# KiCad board GateMateA1-EVB_Rev_C.kicad_pcb (continued)
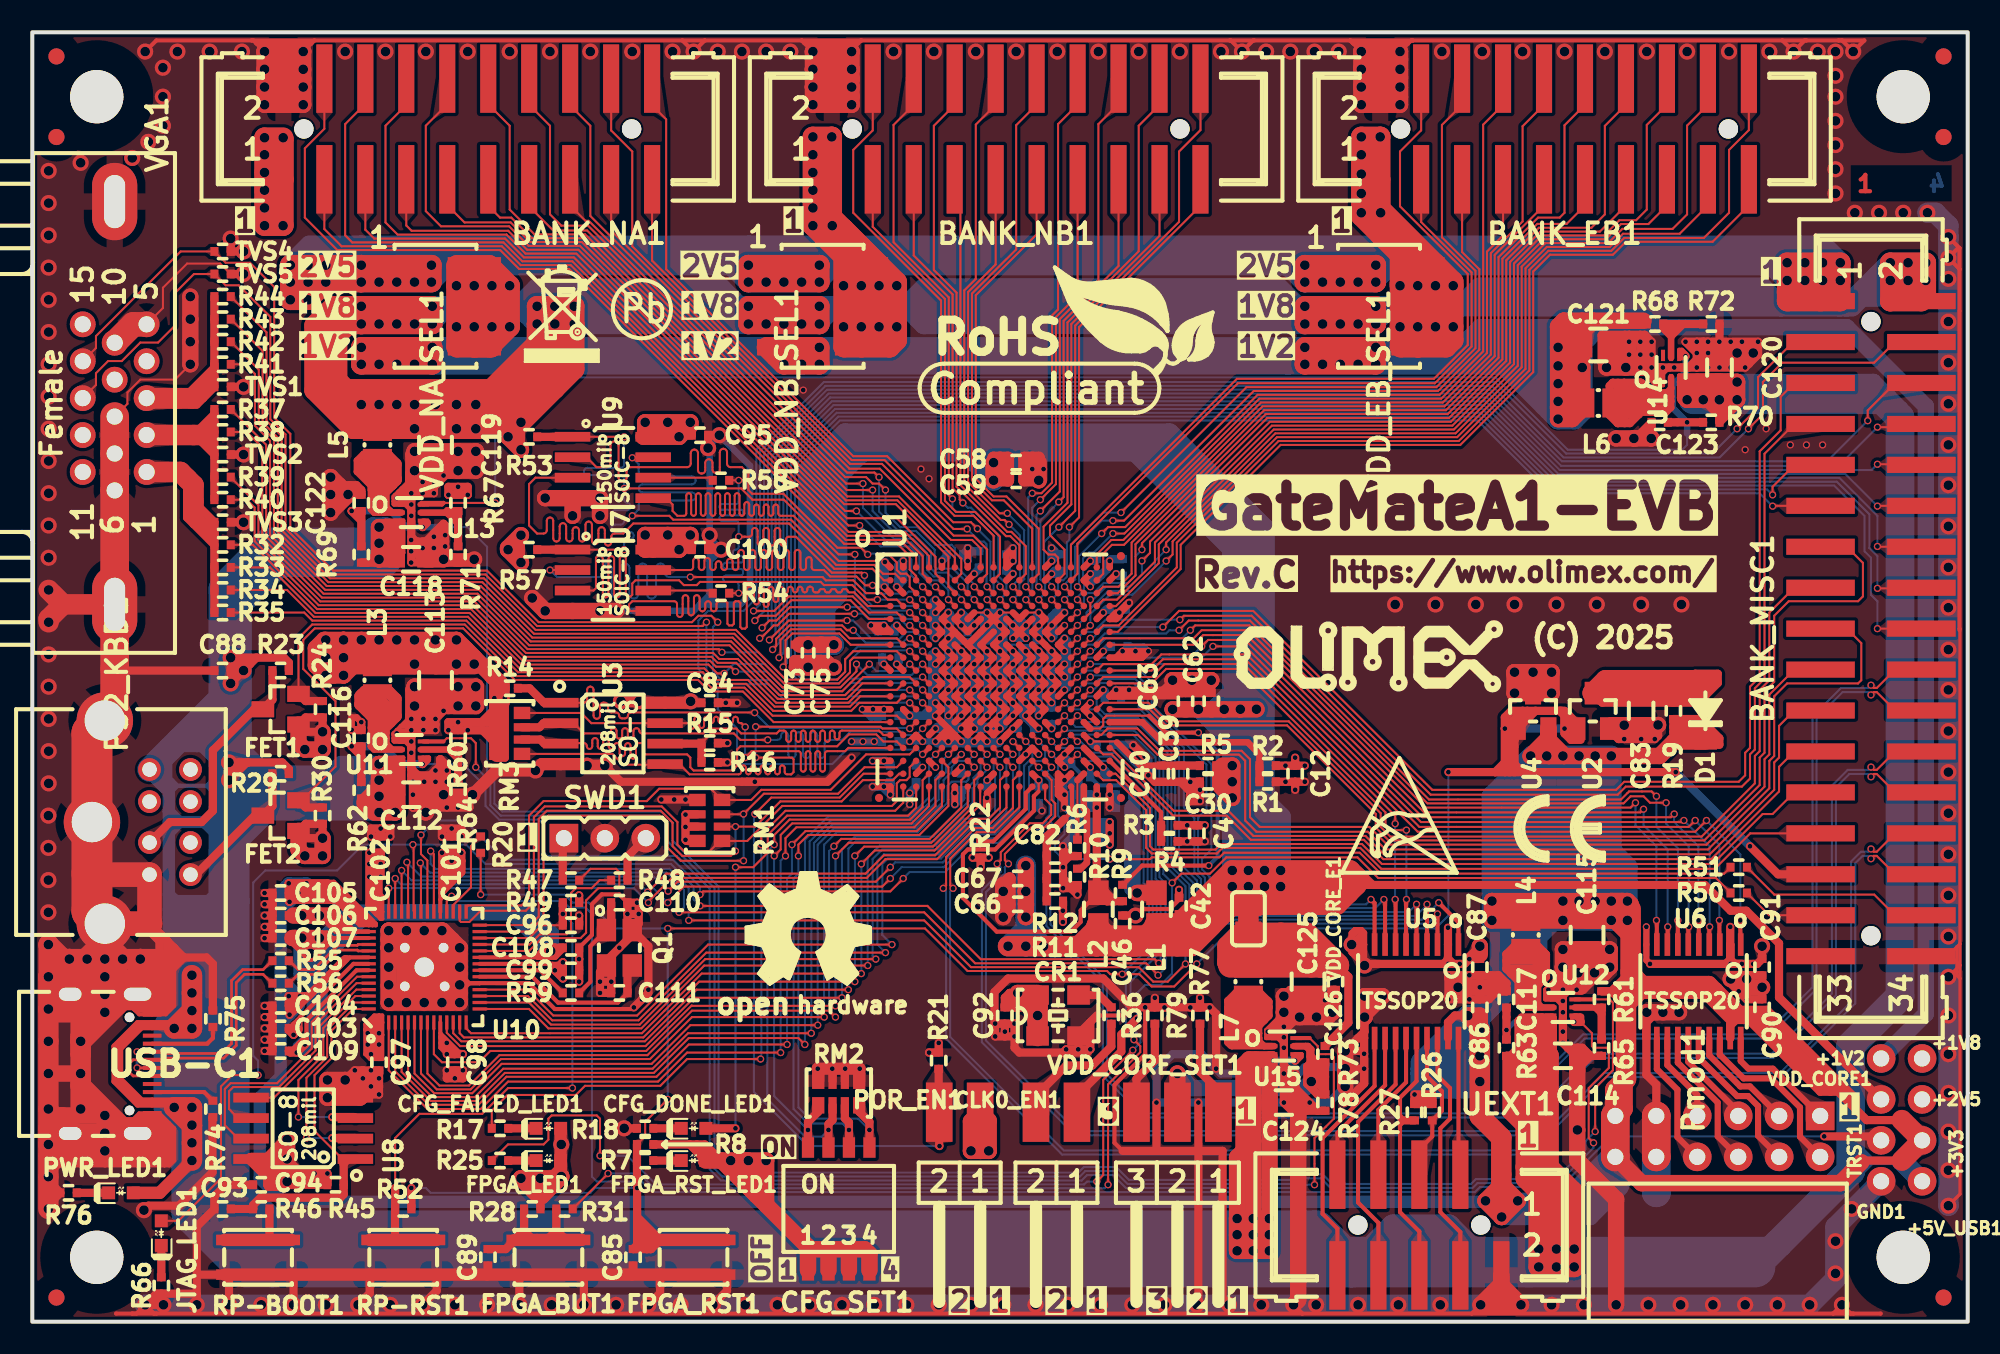
[diagram p0: board, top side]
## Routing (per net, layer and track width the routed paths; a pad name or vN(x,y) marks a point on that pad's centre or on a via; arc(x,y) is an arc through that point) (continued)
  Top w0.381: C86.1 v2(89.75,18.1)
  Top w0.508: 105.9,19 105.3,19 ; 105.9,19 106.9,19 ; 105.9,19 105.28,18.38 U6.19 105.28,18.97 105.3,19 ; 105.3,19 105.58,18.72 106.1,18.72 ; 16.6,20.19 17.09,20.19 ; 17.09,20.19 16.5,19.6 ; 17.09,20.19 19.4,22.5 ; 16.5,19.6 v1(15.9,20.2) ; 16.5,19.6 C104.1 ; 16.5,19.6 v1(15.95,19.05) 15.95,19.56 C104.1 ; v1(15.9,20.2) v1(16.6,20.2) 17.1,20.2 17.35,20.45 ; v1(15.9,20.2) 15.91,20.19 C104.1 ; 85.7,13.8 R27.1 R26.1 86.8,13.8 ; 85.7,13.8 v1(85.7,14.1) v1(86.8,14.1) 86.8,13.8 ; 85.7,13.8 86.8,13.8 ; 103.75,37.05 103.41,37.39 R19.1 101.75,36.9 ; 103.75,37.05 103.6,36.9 101.75,36.9 ; 103.75,37.05 104.6,36.2 104.6,35.8 103.95,35.8 D1.1 103.75,36.6 ; 103.75,37.05 103.75,36.6 ; C105.1 15.91,27.19 v1(15.9,27.2) ; C105.1 v1(16.5,26.6) ; C105.1 15.91,26.09 v1(15.95,26.05) v1(16.5,26.6) ; 98.6,20.55 98.56,20.51 R61.2 ; R61.2 97.91,20.51 99.1,21.7 ; R61.2 97.9,20.51 98.81,19.6 ; 105.55,19.35 107.55,19.35 107.91,18.99 ; C90.1 107.91,18.99 ; C90.1 107.52,18.72 ; C90.1 107.24,19 106.9,19 ; 107.91,18.99 113.07,13.83 113.07,13.17 ; C86.1 89.75,18 ; 18.65,26.85 18.3,27.2 v1(15.9,27.2) ; U5.19 87.78,18.58 88.2,19 88.99,19 v2(89,18.99) ; v1(16.5,26.6) v1(15.9,27.2) ; 101.75,36.9 101.75,36.6 ; 113.07,13.17 113.73,12.51 115.92,12.51 ; 113.07,13.17 111.97,14.27 ; 101.75,36.6 101.75,36.05 101.8,36 ; 101.75,36.6 103.75,36.6 ; 115.92,10 113.5,10 113.4,9.9 ; 91.1,9.14 UEXT1.1 ; 107.52,18.72 106.1,18.72 ; 107.52,18.72 111.97,14.27 ; 106.1,18.72 106.41,18.72 110.86,14.27 111.5,14.27 ; 111.5,14.27 106.9,18.87 106.9,19 ; 111.5,14.27 111.97,14.27
  Top w0.762: L4.2 92.5,24.7 92.3,24.9 ; 16.25,26.85 18.65,26.85 19.2,26.3 ; 19.2,26.3 19.05,26.45 16.35,26.45 ; 19.2,26.3 20.5,25
  Top w1.016: v2(90.5,26.1) v2(90.5,24.9) 92.3,24.9 92.6,25.2 ; v2(90.5,26.1) v2(94.9,26.1) v2(97.9,26.1) ; v2(90.5,26.1) 91.4,25.2 92.6,25.2 ; v2(91.1,6.5) 91.08,6.52 91.08,7.4 ; v2(91.1,6.5) v2(90.1,7.5) 91.08,8.48 UEXT1.1 91.08,8.52 v2(92.1,7.5) v2(91.1,6.5) ; 104.35,20.55 105.9,19 ; 104.35,20.55 103.75,20.55 ; 104.35,20.55 100.25,20.55 ; 104.35,20.55 103.95,20.95 99.85,20.95 ; v2(96.9,26.1) 96,25.2 92.6,25.2 ; 99.85,20.95 100.25,20.55 ; 99.85,20.95 99.1,21.7 ; 100.25,20.55 99.76,20.55 98.81,19.6 ; 100.25,20.55 100.4,20.55 ; U4.2 94,36.2 v2(92.9,35.1) 95,35.1 94,36.1 U4.2 ; U4.2 94,35.1 100.9,35.1 101.8,36 D1.1 ; 92.6,25.2 92.9,24.9 v2(94.9,24.9) v2(97.9,24.9) ; 103.75,20.55 100.4,20.55 ; 103.75,20.55 105.3,19 ; 100.4,20.55 98.6,20.55 ; v2(97.9,26.1) v2(98.9,26.1) 99.1,25.9 99.1,24.8 ; v2(97.9,26.1) 98.6,26.1 99.1,25.6 ; Pmod1.12 99.78,8.6 112.1,8.6 113.4,9.9 ; v2(89,18.99) C86.1 v2(89.75,18.1) 89.75,18.24 v2(89,18.99)
  Top w1.27: 99.1,24.1 99.1,25.6 ; 99.1,24.1 99.1,21.05 98.6,20.55 98.81,20.34 98.81,15.06 98.6,14.85 ; 99.1,24.1 98.18,25.02 C115.1 ; 98.6,14.85 98.15,14.4 Pmod1.6 98.6,13.22 98.6,14.85 ; 115.92,10 +3V3.1 115.92,12.51 ; 91.08,7.4 UEXT1.1 91.08,11.42 89.75,12.75 v2(89.75,14.9) v2(89.75,18.1)
  Top w1.778: Pmod1.6 Pmod1.12
  In1.Cu w1.016: 98.9,25.5 v2(98.9,24.9) v2(94.9,24.9) v2(94.9,26.1) ; 98.9,25.5 95.5,25.5 v2(94.9,26.1) ; 98.9,25.5 v2(98.9,26.1) v2(94.9,26.1) ; v2(90.5,26.1) v2(90.5,24.9) ; v2(92.9,35.1) v2(97.9,35.1)
  In2.Cu w1.016: v2(98.9,24.9) v2(94.9,24.9) 94.9,25.4 ; v2(98.9,24.9) v2(98.9,26.1) v2(94.9,26.1) 94.9,25.4 ; v2(98.9,24.9) 98.4,25.4 94.9,25.4 ; v2(97.9,35.1) v2(92.9,35.1)
  Bottom w0.508: 86.3,14.1 v1(86.8,14.1) ; 86.3,14.1 89,16.8 89,16.3 v1(86.8,14.1) ; 86.3,14.1 v1(85.7,14.1) ; v1(86.8,14.1) 87.4,14.1 ; v1(85.7,14.1) 89,17.4 ; v1(85.7,14.1) 85.7,15.69 86.1,16.09 ; 87.8,14.1 88.3,14.1 ; 87.8,14.1 87.4,14.1 ; 87.8,14.1 89,15.3 89,16 89,15.7 87.4,14.1 ; 88.3,14.1 88.95,14.1 v2(89.75,14.9) ; 88.3,14.1 89,14.8 89,14.9
  Bottom w0.762: 16.5,19.6 16.5,20.2 15.4,21.3 15.4,21.4 ; 16.5,19.6 15.4,19.6 ; 16.5,19.6 v1(15.95,19.05) 15.4,18.5 ; 16.5,19.6 v1(15.9,20.2) 15.4,20.7 ; 16.2,26.9 15.4,26.1 15.4,25.5 ; 16.2,26.9 v1(16.5,26.6) ; 16.2,26.9 v1(15.9,27.2) ; 15.4,25.5 15.4,26.7 v1(15.9,27.2) ; 15.4,25.5 15.4,21.4 ; 15.4,25.5 v1(15.95,26.05) v1(16.5,26.6) ; v1(16.5,26.6) 17,27.1 v1(17,27.2) v1(15.9,27.2) ; v2(90.1,7.5) 90.04,7.44 15.57,7.44 14.1,8.92 14.1,13.9 15.4,15.2 15.4,18.5 ; 15.4,18.5 15.4,19.6 ; 15.4,19.6 15.4,20.7 ; 15.4,21.4 15.4,20.7
  Bottom w1.016: 94,6.5 v2(91.1,6.5) ; 94,6.5 94.42,6.5 Pmod1.12 ; 94,6.5 96.6,6.5 98.15,8.05 98.15,8.55 96.1,6.5 95.3,6.5 ; 94,6.5 95.3,6.5 ; v2(91.1,6.5) v2(92.1,7.5) ; v2(91.1,6.5) v2(90.1,7.5) v2(92.1,7.5) ; v2(92.1,7.5) 94.95,7.5 97.68,10.23 Pmod1.12 ; 93,26.1 93,35.1 95,35.1 95,26.1 ; Pmod1.12 98.15,9.35 95.3,6.5 ; 94,35.1 94,26.1
  Bottom w1.27: v2(89.75,18.1) v2(89.75,14.9) 89,14.9 89,17.4 v2(89,18.99) ; v2(89.75,18.1) 89.75,18.85 90.45,19.55 ; v2(89.75,18.1) 89.75,18.24 89.4,18.6 ; 91.6,26.1 92.3,26.1 ; 91.6,26.1 v2(90.5,26.1) ; 91.6,26.1 91.6,33.7 93,35.1 ; 92.3,26.1 92.3,34.4 93,35.1 ; 92.3,26.1 v2(97.9,26.1) ; 86.1,15.4 86.1,16.09 v2(89,18.99) ; 86.1,15.4 89.3,18.6 89.4,18.6 ; 86.1,15.4 86.1,14.5 ; 97.9,30.7 97.9,29.2 98.9,28.2 v2(98.9,26.1) v2(98.9,24.9) v2(97.9,24.9) ; 97.9,30.7 v2(97.9,35.1) 93,35.1 ; 97.9,30.7 v2(97.9,26.1) ; 90.45,19.55 91,20.1 ; 90.45,19.55 89.89,18.99 v2(89,18.99) ; 91,20.1 91.5,20.6 ; 91,20.1 91,24.4 v2(90.5,24.9) ; 89.4,18.6 v2(89,18.99) ; 93.3,23.9 94.3,24.9 v2(94.9,24.9) 93.5,24.9 91.5,22.9 ; 93.3,23.9 91.5,22.1 ; 93.3,23.9 93.3,22.4 91.5,20.6 ; v2(90.5,26.1) 90.5,32.6 93,35.1 ; v2(90.5,26.1) v2(90.5,24.9) ; v2(97.9,24.9) v2(97.9,26.1) ; v2(97.9,24.9) v2(90.5,24.9) ; 91.5,21 89.49,18.99 v2(89,18.99) ; 91.5,21 91.5,22.1 ; 91.5,21 91.5,20.6 ; 93,35.1 94,35.1 ; v2(90.5,24.9) 91.5,23.9 91.5,22.9 ; v2(95.9,26.1) v2(95.9,35.1) ; 91.5,22.1 91.5,22.9 ; v2(96.9,26.1) v2(96.9,35.1)
  Bottom w1.778: Pmod1.12 98.15,8.55
  vias: v1(16.45,19.55) v2(89.75,16.5) v2(93.9,35.1) v2(94.9,35.1)
+5V_USB: length 893.9
  Top w0.254: C118.1 23.01,47.71 23.01,49.7 U13.3 21.9,49.7 v2(21.5,49.3) ; 78.7,16.6 78.7,16.42 ; 78.7,16.6 U15.4 78.3,16.55 78.3,16.42 ; 78.7,16.6 78.41,16.31 ; v2(105.7,58.3) 105.29,58.71 102.11,58.71 U14.3 ; 75.85,16.28 76.18,16.6 U15.3 ; v2(22.5,31.6) 23.01,32.11 23.01,35 U11.3
  Top w0.381: v2(8.8,13.3) 8.62,13.47 USB-C1.A9 6.54,13.47 5.1,14.91 5.1,17.09 6.54,18.53 USB-C1.A4 9.58,18.53 v2(9.9,18.2) ; v2(9.9,13.3) 9.47,13.72 USB-C1.B4 6.78,13.72 5.45,15.05 5.45,16.95 6.78,18.28 USB-C1.B9 8.72,18.28 v2(8.8,18.2)
  Top w0.508: 12.2,34.1 v2(12.2,33.6) 13.3,34.7 ; 12.2,34.1 12.8,34.7 13.3,34.7 ; 12.2,34.1 v2(12.2,34.7) 13.4,34.7 ; 13.5,40.8 12.71,40.8 C88.1 ; 13.5,40.8 v2(13.1,40.4) ; 13.5,40.8 13.9,41.2 ; 93.95,18.53 93.6,18.88 ; 93.6,18.88 93.2,18.88 ; 93.6,18.88 93.6,16.91 C114.1 93.95,16.56 93.95,18.65 ; 92.6,11.7 91.4,12.9 R63.2 ; 92.15,18.45 92.2,18.5 92.2,18.47 ; 92.15,18.45 92.15,18.67 92.35,18.88 93.2,18.88 ; 92.15,18.45 92.15,17 91.64,16.49 R63.2 ; R63.2 92.59,16.49 92.6,16.5 ; R63.2 91.41,16.49 91.8,16.1 ; 78.57,16.47 v1(78.3,16.2) 78.3,16.47 ; R70.2 104.61,57.19 v2(104.6,57.2) ; R70.2 104.61,56.19 v2(103.6,57.2) ; R70.2 104.61,56.11 v2(105.7,57.2) 105.7,56.89 R70.2 ; v2(21.5,47.3) 21.29,47.09 R69.2 20.79,47.09 21.5,47.8 ; C88.1 12.31,41.19 v2(12.3,41.2) 13.9,41.2 ; C88.1 12.31,39.61 v2(12.3,39.6) v2(13.1,40.4) ; C88.1 v2(13.1,40.4) ; 13.4,34.7 15.5,34.7 15.91,34.29 R29.1 ; 13.4,34.7 13.3,34.7 ; 91.8,16.1 91.8,13.1 92.6,12.3 ; 91.8,16.1 92.6,15.3 ; 93.2,18.88 92.6,18.28 ; 93.2,18.88 94.22,18.88 94.28,18.82 94.28,15.87 94.01,15.6 ; 93.2,18.88 93.2,16.6 93.3,16.5 ; 13.9,41.2 15.6,41.2 15.91,40.89 R23.1 ; v2(21.5,34.6) 21.5,33.5 20.46,32.46 R62.2 22.38,32.46 C112.1 22.55,32.76 22.55,34.2 ; 76.75,16.53 76.92,16.53 76.95,16.5 v1(76.95,16.2) ; 12.24,34.64 12.2,34.6
  Top w0.762: v2(9.9,10) 7.9,8 PWR_LED1.2
  Top w1.016: C120.1 105.2,58.31 ; C120.1 104.61,57.21 v2(104.6,57.2) ; C120.1 103.21,58.31 102.6,57.71 v2(102.6,57.2) ; C120.1 104.41,58.31 103.3,57.2 ; 105.2,58.31 105.2,57.7 v2(105.7,57.2) ; 105.2,58.31 105.69,58.31 v2(105.7,58.3) v2(105.7,57.2) ; 22.6,49.3 22.6,48.5 ; 22.6,49.3 v2(21.5,49.3) v2(21.5,47.3) ; 22.6,49.3 21.6,48.3 v2(21.5,48.3) ; 104.73,58.31 102.47,58.31 102.47,57.33 v2(102.6,57.2) ; v2(105.7,57.2) v2(104.6,57.2) ; v2(104.6,57.2) 103.3,57.2 ; v2(75.7,4.4) v2(74.7,4.4) ; v2(75.7,4.4) v2(75.7,5.4) ; v2(75.7,4.4) v2(76.7,4.4) ; v2(75.7,4.4) 75.7,5.64 ; v2(74.7,4.4) v2(74.7,5.4) ; v2(74.7,4.4) v2(74.7,6.4) ; 20.6,32.2 21.2,31.6 v2(21.5,31.6) ; v2(21.5,34.6) 22.61,34.6 ; v2(21.5,34.6) v2(21.5,32.6) ; v2(21.5,34.6) 22.23,34.6 22.61,34.22 C112.1 ; 22.61,34.6 22.38,34.6 22.38,32.93 C112.1 ; 22.61,34.6 C112.1 ; v2(75.7,5.4) v2(74.7,5.4) ; v2(75.7,5.4) v2(75.7,6.4) ; v2(75.7,5.4) v2(76.7,5.4) ; v2(75.7,6.4) v2(76.7,6.4) v2(76.7,5.4) ; v2(75.7,6.4) v2(74.7,6.4) ; v2(74.7,6.4) v2(74.7,5.4) ; v2(74.7,6.4) 74.7,10.2 75.05,10.55 ; 76.7,5.64 76.71,5.65 76.71,16.28 75.45,16.28 75.1,15.92 75.1,10.6 75.05,10.55 ; 76.7,5.64 75.7,5.64 ; 76.7,5.64 v2(76.7,4.4) ; v2(102.6,57.2) 103.3,57.2 ; v2(21.5,47.3) C118.1 22.6,48.4 v2(21.5,47.3) ; v2(21.5,32.6) 22.51,32.6 C112.1 ; v2(21.5,32.6) v2(21.5,31.6) ; v2(21.5,31.6) v2(22.5,31.6) 22.61,31.71 C112.1 ; 75.05,10.55 75.7,11.2 ; v2(76.7,4.4) v2(76.7,5.4) ; 75.7,11.2 75.7,5.64 ; 75.7,11.2 75.7,15.8
  Top w1.27: 93.25,8.25 92.6,8.9 92.6,9.6 ; 93.25,8.25 95.6,5.9 ; 93.25,8.25 93.4,8.1 v2(93.4,4.51) ; v2(93.4,4.51) v2(95.6,4.51) ; v2(93.4,4.51) v2(93.4,3.4) v2(95.6,3.4) v2(95.6,4.51) ; v2(95.6,4.51) 95.6,5.9 ; v2(94.5,4.51) 94.5,7.7 92.6,9.6 ; 95.6,5.9 95.6,8 94.01,9.59 ; 94.01,9.59 C114.1 93.3,16.5 ; 94.01,9.59 93.3,10.3 93.3,16.5 ; 92.6,9.6 92.6,16.5 ; 93.3,16.5 92.6,16.5 ; v2(9.9,12.2) v2(8.8,13.3) v2(9.9,13.3) v2(9.9,12.2) ; v2(9.9,12.2) v2(9.9,11.1) v2(9.9,10) ; v2(9.9,21.5) v2(9.9,20.4) v2(9.9,18.2) v2(8.8,18.2) v2(9.9,19.3) ; 92.6,16.5 92.6,18.3
  In1.Cu w1.016: v2(93.4,3.4) v2(95.6,3.4) 95.6,4 ; v2(93.4,3.4) 94,4 95.6,4 ; v2(93.4,3.4) v2(93.4,4.51) v2(95.6,4.51) 95.6,4 ; v2(75.7,6.4) v2(74.7,6.4) v2(74.7,4.4) v2(76.7,4.4) v2(76.7,6.4) v2(75.7,6.4) ; v2(75.7,6.4) v2(75.7,4.4) ; v2(9.9,10) v2(9.9,13.3) v2(8.8,13.3) v2(9.9,12.2) ; v2(102.6,57.2) v2(105.7,57.2) v2(105.7,58.3) v2(104.6,57.2) ; v2(21.5,49.3) v2(21.5,47.3) ; v2(74.7,5.4) v2(76.7,5.4) ; v2(12.2,34.7) v2(12.2,33.6) ; v2(21.5,34.6) v2(21.5,31.6) v2(22.5,31.6) v2(21.5,32.6) ; v2(9.9,19.3) v2(8.8,18.2) v2(9.9,18.2) v2(9.9,21.5) ; v2(12.3,41.2) v2(13.1,40.4) v2(12.3,39.6) v2(12.3,41.2)
  In2.Cu w1.016: v2(9.9,12.2) v2(8.8,13.3) v2(9.9,13.3) v2(9.9,10) ; v2(102.6,57.2) v2(105.7,57.2) v2(105.7,58.3) v2(104.6,57.2) ; v2(9.9,21.5) v2(9.9,18.2) v2(8.8,18.2) v2(9.9,19.3) ; v2(21.5,32.6) v2(22.5,31.6) v2(21.5,31.6) v2(21.5,34.6) ; v2(76.7,5.4) v2(74.7,5.4) ; v2(76.7,4.4) v2(74.7,4.4) v2(74.7,6.4) v2(76.7,6.4) v2(76.7,4.4)
  Bottom w0.254: 10.8,33.25 12.2,34.65 v2(12.2,34.7) ; 10.8,33.25 9.2,33.25 ; 10.8,33.25 12.2,31.85 12.2,31.8 ; 10.8,33.25 12.2,33.25 ; 8.38,33.88 8.38,35.37 8.56,35.55 8.56,33.71 8.68,33.58 ; 8.38,33.88 8.68,33.58 ; 8.38,33.88 7.86,34.41 7.86,34.84 ; 9.2,33.25 8.28,33.25 ; 9.2,33.25 9.02,33.25 ; 8.68,33.58 9.02,33.25 ; 9.02,33.25 8.47,32.7
  Bottom w0.508: v1(78.3,16.2) v1(76.95,16.2) ; 114,9.97 113.37,9.34 112.74,9.34 ; 114,9.97 115.92,9.97 ; 114,9.97 113.37,9.97 ; 114,9.97 112.74,11.23 112.74,11.4
  Bottom w0.762: 12.2,26.1 8.87,26.1 8.47,26.5 ; v2(8.8,18.2) 8.47,18.53 8.47,25.1 ; 12.2,33.25 12.2,32.5 10.7,31 ; 8.47,30.1 8.47,30.37 9.1,31 ; 8.47,30.1 8.47,26.5 ; 8.47,30.1 8.47,31 ; 8.47,25.1 8.63,24.93 11.03,24.93 10.37,25.6 8.47,25.6 ; 8.47,25.1 8.47,25.6 ; 12.2,31.8 11.4,31 10.7,31 ; 10.7,31 12.2,29.5 12.2,29.1 ; 10.7,31 9.1,31 ; 8.47,31 9.1,31 ; 8.47,31 8.47,31.7 ; 9.1,31 8.47,31.63 8.47,31.7 ; 8.47,31.7 8.47,33.06 8.28,33.25 ; 8.47,25.6 8.47,26.5
  Bottom w1.016: 22.3,47.67 21.92,47.3 v2(21.5,47.3) ; 22.3,47.67 22.3,49 21.9,49.4 ; 22.3,47.67 21.33,46.7 ; 22.3,47.67 22.3,47 22,46.7 21.33,46.7 ; 13.31,34.11 13.1,34.32 v2(13.1,40.4) 13.1,44.4 15.4,46.7 21.33,46.7 ; 21.9,49.4 21.12,49.4 19.8,48.08 19.8,48 19.94,48 21.24,49.3 v2(21.5,49.3) v2(21.5,47.3) ; 21.9,49.4 22.1,49.2 ; 21.9,49.4 21.8,49.3 ; v2(21.5,47.3) 22.2,48 22.2,47.9 ; 12.2,29.1 14.7,31.6 v2(21.5,31.6) ; v2(102.6,57.2) 102.6,57.7 103.2,58.3 v2(105.7,58.3) 114.15,58.3 115.8,56.65 115.8,56.1 ; v2(21.5,31.6) v2(21.5,34.6) ; v2(21.5,31.6) v2(22.5,31.6) 22.5,33.6 v2(21.5,34.6) ; v2(21.5,31.6) 21.15,31.6 19.5,33.25 ; v2(21.5,34.6) 19.15,34.6 17.8,33.25 ; v2(21.5,34.6) 22.3,33.8 22.3,32.84 22.17,32.72 21.5,32.72 ; v2(21.5,34.6) 21.5,32.72 ; v2(21.5,34.6) 21.5,32.72 ; PS2_KBD1.4 8.28,33.25
  Bottom w1.27: +5V_USB1.1 115.92,9.97
  Bottom w1.524: 9.11,36.1 12.2,39.19 12.2,39.2 ; 9.11,36.1 10.2,36.1 ; 9.11,36.1 PS2_KBD1.4 ; 89.5,4.51 107.91,4.51 108.25,4.85 ; 89.5,4.51 83,4.51 ; 89.5,4.51 89.19,4.51 87.8,5.9 84.39,5.9 83,4.51 ; 83,4.51 80.69,4.51 80.6,4.6 ; 12.2,34.6 10.7,36.1 10.2,36.1 ; 10.2,36.1 12.2,36.1
  Bottom w1.778: 106.8,3.4 112.74,9.34 112.74,17.12 115.8,20.18 115.8,56.1 114.7,57.2 v2(103.6,57.2) ; v2(104.6,57.2) 102.97,57.2
  Bottom w2.032: 21.03,33.25 21.5,33.72
  Bottom w2.54: 12.2,33.25 12.2,30.43 ; 12.2,33.25 12.2,36.1 ; 12.2,33.25 14.17,33.25 ; 12.2,26.1 12.2,8.24 14.8,5.64 79.56,5.64 81.8,3.4 ; 12.2,26.1 12.2,30.43 ; 12.2,26.1 11.03,24.93 ; 12.2,30.43 12.2,31.28 14.17,33.25 ; 12.2,36.1 12.2,35.22 14.17,33.25 ; 12.2,36.1 12.2,45.4 14.8,48 21.2,48 v2(21.5,48.3) ; 14.9,3.4 81.8,3.4 ; 14.9,3.4 13.3,3.4 9.9,6.8 v2(9.9,10) ; 14.9,3.4 9.9,8.4 v2(9.9,10) ; 81.8,3.4 106.8,3.4 ; 8.8,14.5 v2(8.8,13.3) 9.59,12.51 9.59,20.4 ; 8.8,14.5 v2(8.8,18.2) 9.59,18.99 ; 8.8,14.5 9.9,13.4 v2(9.9,10) ; 14.17,33.25 21.03,33.25 ; 11.03,24.93 9.9,23.8 v2(9.9,18.2) ; 11.03,24.93 9.59,23.49 9.59,20.4 ; 9.59,18.99 9.9,18.69 v2(9.9,13.3) ; 9.59,18.99 9.59,20.4
  vias: v2(21.5,33.6) v2(94.5,3.4)
/+1V1: length 110.8
  Top w0.254: 32.14,22.96 32.4,22.96 ; 32.14,22.96 31.81,22.62 31.81,22.61 ; 32.14,22.96 32.4,22.96 ; 32.14,22.96 32.14,22.94 31.9,22.7 ; 32.4,22.96 32.4,23.2 31.81,22.61 ; 19.3,23.81 18.76,23.81 18.33,23.38 ; 19.3,23.81 18.6,23.81 ; 19.3,23.81 U10.45 ; 18.6,23.81 18.45,23.81 ; 18.6,23.81 18.25,24.15 17.05,24.15 v2(16.7,23.81) ; 18.45,23.81 v2(17.8,23.81) ; 18.45,23.81 18.33,23.68 18.33,23.38 ; 16.5,16.8 17,17.3 17,18.7 20.11,21.81 U10.50 ; 31.3,22.61 31.31,22.61 31.4,22.7 ; 31.3,22.61 U10.23 ; 31.3,22.61 31.81,22.61 ; 18.33,23.38 17.8,22.85 v2(17.25,22.85) ; C107.1 15.91,23.81
  Top w0.508: 32.14,22.96 32.39,23.2 32.4,23.2 ; 31.9,23.2 31.4,22.7 31.9,22.7 ; 31.9,23.2 31.9,22.7 ; 31.9,23.2 32.4,23.2 ; 31.9,22.7 32.39,22.7 C108.1 32.4,23.2 ; 31.9,22.7 32.4,23.2 ; v1(16.9,17.2) 16.6,17.2 ; v1(16.9,17.2) 16.9,17.5 16.6,17.2 ; v1(16.9,17.2) v1(16.4,16.7) 16.01,16.7 C109.1 16.2,16.8 ; 16.6,17.2 16.2,16.8 ; 16.2,16.8 16.5,16.8 ; 15.91,23.81 16.15,23.81
  Top w1.016: v2(17.25,22.85) 17.8,23.4 v2(17.8,23.81) ; v2(17.25,22.85) 16.29,23.81 16.15,23.81 v2(16.7,23.81) v2(17.8,23.81) ; v2(17.25,22.85) 17.25,23.26 v2(17.8,23.81)
  In1.Cu w1.016: 16.7,23.4 v2(17.25,22.85) 17.8,23.4 v2(17.8,23.81) v2(16.7,23.81) 16.7,23.4
  Bottom w0.508: 32.14,22.96 32.39,23.2 32.4,23.2 ; 32.4,23.2 32.4,24.2 30.96,25.64 19.63,25.64 v2(17.8,23.81) ; 32.4,23.2 32.34,23.2 v2(32.14,23) 31.94,23.2 31.9,23.2 ; 16.9,17.6 v1(16.9,17.2) v1(16.4,16.7) ; 16.9,17.6 16.4,17.1 v1(16.4,16.7) ; 16.9,17.6 17.8,18.5 ; v1(16.4,16.7) 16.78,16.7 17.8,17.72 17.8,18.1
  Bottom w0.762: v2(16.7,23.81) 17.3,23.81 ; 17.3,23.81 17.3,21 ; 17.3,23.81 v2(17.8,23.81) 17.8,20.5 17.3,21 ; 17.3,21 17.4,20.9 17.4,17.7 v1(16.9,17.2)
  Bottom w1.016: 30.24,24.9 29.74,25.4 20.8,25.4 17.3,21.9 ; 30.24,24.9 30.8,24.9 32.14,23.56 v2(32.14,23) 30.24,24.9 ; 17.3,21 16.7,21.6 v2(16.7,23.81) v2(17.8,23.81) 17.8,18.1 v1(16.9,17.2) ; v2(17.25,22.85) 19.4,25 20.4,25
/VDD_PLL: length 8.5
  Top w0.127: v1(65.6,36) 67.2,36 67.25,35.95
  Top w0.381: 67.25,35.95 68.69,34.51 C40.2 ; U1.P16 v1(65.6,36)
  Top w0.508: C40.2 72.38,34.51 R5.2
  Bottom w0.508: v1(65.6,36) 65.8,35.8 C41.2
/VDD_SER: length 36.3
  Top w0.127: 62.4,32.9 62.4,32.9 62.4,33.59 62.4,33.6
  Top w0.254: 62.4,33.6 v1(62.4,33.6) ; L2.2 65,25.52 65,24.8 64.4,24.2 59.8,24.2 57.7,26.3 57.7,29 58,29.3 59.7,29.3 62.1,31.7 62.1,32.6 62.4,32.9
  Top w0.406: U1.U12 v1(62.4,33.6) ; v1(66,32.7) U1.V17
  Top w0.508: R9.1 67.1,26.09 ; 67.1,26.09 66.62,26.09 ; 67.1,26.09 66.58,26.62 L2.2 ; 67.1,26.09 66.9,26.09 ; 66.62,26.09 L2.2 ; 66.62,26.09 66,26.72 v1(66,31.9) v1(66,32.7) ; 66.62,26.09 66.9,26.09 ; L2.2 66.38,26.62 66.9,26.09
  Bottom w0.508: C48.2 62.4,33.59 62.4,33.6 ; C47.2 v1(66,31.9) v1(66,32.7) C49.2 C47.2
/VDD_SER_PLL: length 11.7
  Top w0.406: U1.T16 v1(65.6,34.4)
  Top w1.016: v2(68.5,26.6) 69.68,26.6 L1.2
  Bottom w0.254: C45.2 66.11,33.29 67.62,33.29 C44.2
  Bottom w0.381: 65.59,34.39 v1(65.6,34.4)
  Bottom w0.406: C45.2 65.59,34.39
  Bottom w0.508: C43.2 C44.2
  Bottom w1.016: C43.2 68.21,26.89 v2(68.5,26.6)
GND: length 3148
  Top w0.127: 58.4,44 v1(59.2,44) ; v2(9.8,59.4) 8.85,58.45 6.7,58.45 5.9,57.65 5.9,56.94 VGA1.8 ; VGA1.5 8.1,62.89 8.1,64.15 9.6,65.65 11.65,65.65 12.3,65 TVS5.1 ; 60.8,44 v1(60,44) ; 61.6,44 v1(62.4,44)
  Top w0.2: U1.A1 53.26,46.74
  Top w0.203: 119.52,22.12 118.95,22.68 BANK_MISC1.34 118.75,22.68 119.34,23.27 ; 119.52,22.12 119.52,21.3 ; 119.52,22.12 119.52,23.45 ; 119.52,22.12 v2(118.8,21.4) 119.1,21.7 119.34,21.7 ; 119.52,21.3 119.52,7.92 v2(118.8,7.2) ; 119.52,21.3 119.34,21.48 119.34,21.7 ; 119.34,21.7 119.34,23.27 ; 119.34,23.27 119.52,23.45 ; 119.52,23.45 119.52,42.97 119.49,43
  Top w0.254: 110,79.49 109.89,79.49 v2(109.2,78.8) 108.51,79.49 ; 110,79.49 112,79.49 ; 110,79.49 108.51,79.49 ; 22.6,36.7 23.4,36.7 23.5,36.8 ; 22.6,36.7 22.85,36.95 ; 22.6,36.7 22.4,36.5 ; 77.6,18.4 76.85,17.65 U15.1 ; U15.1 77.1,17.6 77.6,18.1 ; U15.1 76.5,17.6 ; U15.1 77.2,17.6 77.6,17.2 ; U15.1 77.6,17.6 ; U10.19 27.11,21.01 26.5,20.4 ; U10.19 30.79,21.01 32.4,19.4 37.2,19.4 v1(37.3,19.5) ; U10.19 27.09,21.01 26.5,21.6 ; U10.19 25.77,21.01 U10.57 ; U11.1 22.43,36 22.4,36.03 22.4,36.2 ; U11.1 23.1,36 23.5,35.6 ; U11.1 v1(23.5,36) ; U11.1 23.16,36 23.5,36.34 ; U11.1 23.2,36 23.5,35.7 ; 111.66,0.51 v2(112.2,1.05) 112.74,0.51 112.9,0.51 ; 111.66,0.51 112.9,0.51 ; 111.66,0.51 89.26,0.51 ; 68.19,19.51 67.68,19 66,19 ; 85.3,79.3 85.49,79.49 85.6,79.49 ; 85.3,79.3 81.9,79.3 81.71,79.49 ; 85.3,79.3 v2(84.8,78.8) ; 40.31,79.49 v2(41,78.8) 41.69,79.49 41.7,79.49 ; 40.31,79.49 17.49,79.49 ; 40.31,79.49 41.7,79.49 ; 23.5,36.8 23.2,36.5 22.4,36.5 ; 23.5,36.8 23.35,36.95 22.85,36.95 ; v1(94.9,19.2) 94.9,19.57 94.47,20 U12.1 ; 22.5,51.3 23.4,51.3 v1(23.5,51.4) ; 22.5,51.3 22.4,51.2 22.4,51.1 ; 22.5,51.3 22.7,51.5 ; 13.6,79.49 13.71,79.49 13.9,79.3 ; 13.6,79.49 7.69,79.49 v2(7,78.8) ; 13.6,79.49 17.49,79.49 ; 22.4,51.1 23.35,51.1 23.5,50.95 23.45,50.9 22.4,50.9 ; 22.4,51.1 22.4,50.9 ; 93.8,20.2 93.8,20 U12.1 ; 93.8,20.2 94.8,20.2 94.9,20.3 ; 93.8,20.2 93.8,20.4 ; 112,79.49 113.59,79.49 v2(112.9,78.8) 112.21,79.49 112,79.49 ; 41.7,79.49 47.7,79.49 ; 22.4,36.2 23.36,36.2 23.5,36.34 ; 22.4,36.2 22.4,36.4 ; 100.9,58.1 101.1,58.1 101.11,58.11 U14.1 ; 100.9,58.1 100.7,58.1 ; 100.9,58.1 100.9,59 v1(101.1,59.2) 101.11,59.19 U14.1 ; 100.9,58.1 101.11,58.31 U14.1 ; 75.75,79.49 81.71,79.49 ; 75.75,79.49 74.25,79.49 ; 75.75,79.49 75.69,79.49 v2(75,78.8) 74.31,79.49 74.25,79.49 ; 81.71,79.49 v2(82.4,78.8) ; 81.71,79.49 85.6,79.49 ; 8.2,9.7 4.5,9.7 ; 8.2,9.7 8.35,9.85 ; 8.2,9.7 8.5,9.7 8.8,10 8.8,11.7 ; 4.5,9.7 v2(4.5,10.6) ; 4.5,9.7 1.7,9.7 ; 17.49,79.49 17.3,79.3 ; 114.6,0.51 112.9,0.51 ; 22.7,51.5 23.4,51.5 v1(23.5,51.4) ; 22.7,51.5 22.9,51.7 ; USB-C1.A1 6.88,19.33 6.53,19.67 USB-C1.0 ; USB-C1.A1 6.61,19.33 5.62,20.32 ; USB-C1.A1 7.92,19.33 8.2,19.6 ; USB-C1.A1 6.38,19.33 6.3,19.4 ; 67.2,44 v1(67.4,44) 67,43.6 U1.E18 ; 6.3,19.4 6.25,19.45 5.05,19.45 4.9,19.6 6.1,19.6 6.3,19.4 ; 6.3,19.4 6.63,19.08 USB-C1.B12 8.28,19.08 8.8,19.6 8.8,22.6 ; 100.7,58.1 100.6,58.2 ; 100.7,58.1 100.31,58.49 100.31,59.11 v1(100.4,59.2) ; 100.7,58.1 100.7,59 100.9,59.2 101.11,58.99 U14.1 ; 100.6,58.2 99.7,59.1 v1(99.7,59.2) ; 100.6,58.2 100.5,58.3 ; U14.1 101.11,58.81 101.5,59.2 ; 76.5,17.9 77.6,19 v2(77.6,19.2) 76.5,18.1 76.5,17.9 ; 76.5,17.9 76.5,17.6 ; 94.9,21.75 94.9,21.7 94.15,20.95 ; 52.4,42.8 52.2,43 53,43 v1(52.8,43.2) ; 51.19,79.31 50.8,78.92 v2(50.8,78.8) ; 51.19,79.31 51.37,79.49 51.4,79.49 ; 51.19,79.31 47.89,79.31 47.85,79.35 ; v2(1,11) 1,10.4 1.55,9.85 ; 22.85,36.95 23.5,37.6 ; 8.8,11.7 8.8,12 7.88,12.92 USB-C1.B1 6.63,12.92 6.26,12.56 5.74,12.56 5.5,12.8 v2(4.5,12.8) ; 8.8,11.7 8.65,11.85 ; 23.5,36.34 23.44,36.4 22.4,36.4 ; v1(23.5,51.4) 23.2,51.7 22.9,51.7 ; 22.4,36.4 22.4,36.5 ; 47.85,79.35 47.71,79.49 47.7,79.49 ; 47.85,79.35 v2(48.4,78.8) ; 119.49,65.29 119.49,42.9 ; 119.49,65.29 119.49,65.31 v2(118.8,66) 119.41,66.61 119.49,66.61 ; 119.49,65.29 119.49,66.61 ; 77.6,18.8 77.6,18.7 76.5,17.6 ; v2(16.8,78.8) 17.3,79.3 ; 17.3,79.3 13.9,79.3 ; 93.8,20.6 v1(94.9,20.6) 94.7,20.4 93.8,20.4 ; 93.8,20.6 93.8,20.4 ; 93.8,20.6 94,20.8 94.9,20.8 94.75,20.95 94.15,20.95 ; 93.8,20.6 94.15,20.95 ; C110.2 36.39,26.51 35.31,26.51 34.7,25.9 34.7,24 33.91,23.21 C108.2 ; v2(68.4,25.2) 68.8,25.6 70.52,25.6 71.1,26.18 C42.2 ; 74.25,79.49 51.4,79.49 ; 8.35,9.85 1.55,9.85 ; 8.35,9.85 8.65,10.15 8.65,11.85 ; 1.55,9.85 1.7,9.7 ; 13.9,79.3 v2(14.4,78.8) ; v1(100.4,59.2) 100.5,59.1 100.5,58.3 ; v1(100.4,59.2) 100.4,58.4 100.5,58.3 ; 22.4,50.9 22.4,50.73 22.43,50.7 U13.1 ; v2(89.8,1.05) 89.26,0.51 ; 89.26,0.51 78.74,0.51 ; U1.F6 v1(56.8,43.2) ; U12.1 94.7,20 94.9,19.8 ; 108.51,79.49 85.6,79.49 ; 8.65,11.85 7.83,12.67 USB-C1.A12 ; v1(69,19.51) 69,16.6 67.1,14.7 67.1,11.1 67.6,10.6 ; 47.7,79.49 51.4,79.49 ; 78.74,0.51 v2(78.2,1.05) ; 78.74,0.51 7.7,0.51 ; 1.7,9.7 v2(1,9) ; 7.7,0.51 6.2,0.51 ; 7.7,0.51 7.54,0.51 v2(7,1.05) 6.46,0.51 6.2,0.51 ; 6.2,0.51 5.2,0.51 ; U13.1 23.1,50.7 23.5,50.3 ; U13.1 v1(23.5,50.7) ; 22.9,51.7 23.7,52.5 v2(23.7,52.8) ; v2(118.8,67.3) 119.49,66.61 ; 52.83,45.57 v1(52.83,45.6)
  Top w0.381: 70.3,39 70.7,39.4 v2(70.7,39.8) ; 70.3,39 71.1,39 v2(71.9,39.8) 70.9,38.8 67.6,38.8 67.6,38.8 ; 70.3,39 67.4,39 ; v1(68.4,41.6) v1(69.2,41.6) 69,41.4 ; v1(68.4,41.6) v1(67.6,41.6) 67.4,41.4 ; v1(68.4,41.6) 68.2,41.4 ; v1(89.1,20) 89.11,20.01 89.1,20.02 89.1,20.75 ; 5.7,11.68 6.69,12.67 USB-C1.A12 ; 67.6,38.8 v1(68,39.2) 67.6,39.2 ; 67.6,38.8 67,38.8 ; 67.4,41.4 67.2,41.2 68,41.2 ; 67.4,41.4 68.2,41.4 ; 89.1,20.75 v1(89.75,20.75) ; 89.1,20.75 v1(89.1,21.5) 89.11,21.49 ; 7.23,12.47 USB-C1.A12 ; 7.23,12.47 6.53,11.77 USB-C1.0 6.53,12.13 7.08,12.67 USB-C1.A12 ; 7.23,12.47 7.26,12.5 8,12.5 ; 69,41.4 68.8,41.2 68,41.2 ; 69,41.4 68.2,41.4 ; 68.2,41.4 68,41.2 ; 67.4,39 67.2,38.8 67,38.8 ; 67.4,39 67.6,39.2 ; 67,38.8 U1.L18 ; v1(67.2,39.2) 67.6,39.2
  Top w0.406: U1.E7 58.4,44 ; v1(53.2,32.7) U1.V1 v1(52.8,33.2) v1(52.1,33.2) ; v1(59.2,32.5) 59.2,32.8 U1.V9 ; U1.F14 v1(64,43.2) ; U1.V6 v1(57.2,32.8) v1(57.2,32.1) ; v1(58,48) v1(58,47.2) U1.A7 ; U1.P4 v1(56,36.8) ; 67.2,44 U1.E18 67.2,43.6 67.4,43.8 v1(67.4,44) ; v1(20.4,37.2) 20.11,37.49 19.8,37.49 v1(19.8,36.72) ; U1.A13 v1(63.2,47.2) ; v1(63.2,38.4) U1.L13 v1(63.2,39.2) U1.K14 v1(63.2,40) U1.J13 v1(63.2,40.8) U1.H14 v1(63.2,41.6) U1.G13 v1(62.4,42.4) U1.F12 v1(62.4,43.2) U1.E13 v1(62.4,44) ; U1.R16 U1.T17 v1(66.4,34.4) ; U1.T11 v1(61.6,35.2) U1.R12 v1(62.4,35.2) ; U1.N7 v1(57.6,36.8) ; U1.N7 v1(58.4,36.8) ; U1.N7 v1(58.4,37.6) U1.M8 v1(58.4,38.4) U1.L7 v1(58.4,39.2) U1.K8 v1(58.4,40) U1.J7 v1(58.4,40.8) U1.H8 v1(58.4,41.6) U1.G7 ; v1(57.6,36.8) U1.P7 v1(58.4,36.8) ; v1(57.6,36.8) v1(58.4,36.8) ; v1(64,31.9) 64,32.3 ; 64,32.3 63.6,32.7 U1.V14 ; 64,32.3 v1(64,32.7) 64,32.8 U1.V14 ; U1.F6 U1.G7 ; U1.F6 v1(56.8,43.2) U1.E5 v1(56.8,44) ; U1.F6 v1(56.8,42.4) U1.G5 v1(56.8,41.6) U1.H6 v1(56.8,40.8) U1.J5 v1(56.8,40) U1.K6 v1(56.8,39.2) U1.L5 v1(56.8,38.4) U1.M6 v1(56.8,37.6) ; U1.G7 U1.F8 v1(59.2,43.2) U1.E9 ; U1.E9 v1(60,43.2) U1.F10 v1(60,42.4) U1.G9 v1(60,41.6) U1.H10 v1(60,40.8) U1.J9 v1(60,40) U1.K10 v1(60,39.2) U1.L9 v1(60,38.4) U1.M10 v1(60,37.6) U1.N9 ; U1.E9 v1(59.2,44) ; U1.E9 v1(60,44) ; v1(64,33.6) U1.U15 ; v1(64,33.6) U1.U14 U1.V14 ; v1(64,33.6) U1.V14 ; U1.N9 v1(60,36.8) U1.P9 v1(59.2,36.8) U1.N9 ; v1(65.6,45.6) U1.B16 v1(65.6,46.4) ; v1(65.6,38.4) U1.M16 v1(65.6,37.6) U1.N17 ; U1.V18 v1(66.8,32.7) ; U1.G11 v1(61.6,41.6) U1.H12 v1(61.6,40.8) U1.J11 v1(61.6,40) U1.K12 v1(61.6,39.2) U1.L11 v1(61.6,38.4) U1.M12 v1(61.6,37.6) U1.N12 v1(62.4,36.8) ; 67.2,41.2 v1(67.6,41.6) v1(69.2,41.6) 68.8,41.2 U1.H18 ; U1.A1 v1(52.86,47.14) ; U1.A18 v1(66.8,47.2) ; 61.6,44 U1.E11 60.8,44 ; v1(51.46,38) v1(52.8,38) U1.M1 ; U1.C1 52.83,45.57 ; U1.T4 v1(56,34.4) ; U1.J1 v1(52.8,40.8) ; U1.A10 v1(60.8,47.2) v1(60.8,48) 60.4,47.6 U1.A10 ; v1(67.2,39.2) v1(68,39.2) 70.1,39.2 v2(70.7,39.8) 69.7,38.8 U1.L18 v1(67.2,39.2) ; U1.F1 v1(52.8,43.2) v1(52,43.2) 52.4,42.8 U1.F1